# KiCad board 11-10084__speedy_processing_module__B.kicad_pcb (continued)
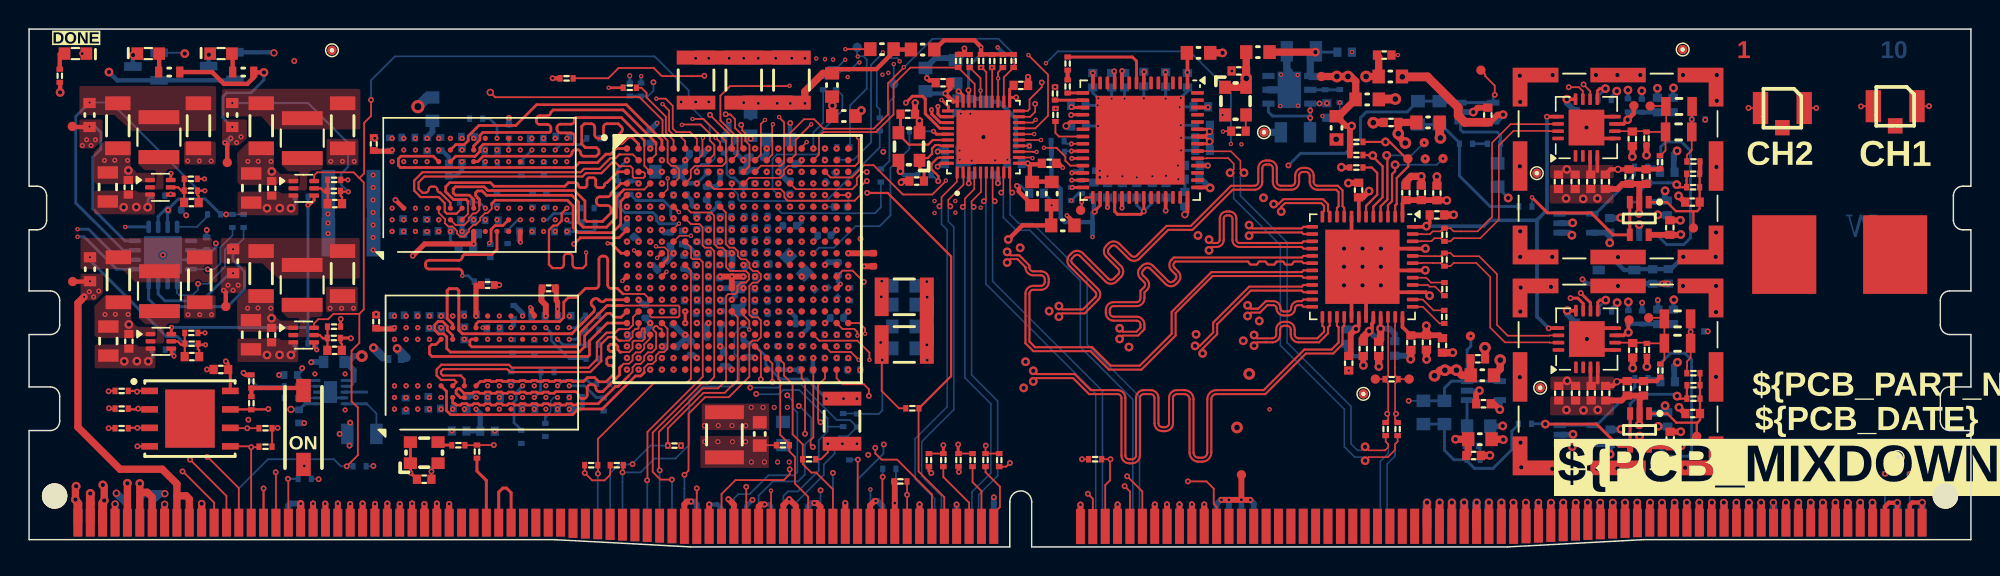
[diagram p0: board, top side]
## Footprints (pads in the part's own frame, mm; a bottom-side part is the same pattern mirrored in y, then rotated) (continued)
C0402_0.50MM_HD_Chamfered
  rrect 0.46x0.54 smd: 1(-0.45,0) 2(0.45,0)
C0402_0.55MM_HD
  rect 0.56x0.64 smd: 1(-0.5,0) 2(0.5,0)
C0402_0.55MM_HD#2
  rect 0.46x0.54 smd: 1(-0.45,0) 2(0.45,0)
C0603_0.90MM_MD
  rect 0.85x0.95 smd: 1(-0.8,0) 2(0.8,0)
C0603_1.00MM_HD
  rect 0.65x0.85 smd: 1(-0.7,0) 2(0.7,0)
C0603_1.00MM_MD
  rect 0.85x0.95 smd: 1(-0.8,0) 2(0.8,0)
C0805_1.40MM_HD
  rect 0.65x1.3 smd: 1(-0.9,0) 2(0.9,0)
C0805_1.40MM_MD
  rect 0.85x1.4 smd: 1(-1,0) 2(1,0)
C0805_1.45MM_MD
  rect 0.85x1.4 smd: 1(-1,0) 2(1,0)
C1206_1.90MM_MD
  rect 0.95x1.75 smd: 1(-1.55,0) 2(1.55,0)
C1210_2.70MM_MD
  rect 0.95x2.65 smd: 1(-1.55,0) 2(1.55,0)
C1210_2.80MM_MD
  rect 0.95x2.65 smd: 1(-1.55,0) 2(1.55,0)
CHS-01TA
  rect 1x1.6 smd: 1(0,-4.572) 2(0,0.508)
DDR5-ABxB-Module-Extended
  rrect 1.75x1.75 hole 1.77 unplated: (-68.8,0.4) (61.05,0.4)
  rect 0.61x1.905 smd: 1(-67.2,-1.432) 2(-66.35,-1.432) 3(-65.5,-1.432) 4(-64.65,-1.432) 5(-63.8,-1.432) 6(-62.95,-1.432) 7(-62.1,-1.432) 8(-61.25,-1.432) 9(-60.4,-1.432) 10(-59.55,-1.432) 11(-58.7,-1.432) 12(-57.85,-1.432) 13(-57,-1.432) 14(-56.15,-1.432) 15(-55.3,-1.432) 16(-54.45,-1.432) 17(-53.6,-1.432) 18(-52.75,-1.432) 19(-51.9,-1.432) 20(-51.05,-1.432) 21(-50.2,-1.432) 22(-49.35,-1.432) 23(-48.5,-1.432) 24(-47.65,-1.432) 25(-46.8,-1.432) 26(-45.95,-1.432) 27(-45.1,-1.432) 28(-44.25,-1.432) 29(-43.4,-1.432) 30(-42.55,-1.432) 31(-41.7,-1.432) 32(-40.85,-1.432) 33(-40,-1.432) 34(-39.15,-1.432) 35(-38.3,-1.432) 36(-37.45,-1.432) 37(-36.6,-1.432) 38(-35.75,-1.432) 39(-34.9,-1.432) 40(-34.05,-1.432) 122(40.75,-1.432) 123(41.6,-1.432) 124(42.45,-1.432) 125(43.3,-1.432) 126(44.15,-1.432) 127(45,-1.432) 128(45.85,-1.432) 129(46.7,-1.432) 130(47.55,-1.432) 131(48.4,-1.432) 132(49.25,-1.432) 133(50.1,-1.432) 134(50.95,-1.432) 135(51.8,-1.432) 136(52.65,-1.432) 137(53.5,-1.432) 138(54.35,-1.432) 139(55.2,-1.432) 140(56.05,-1.432) 141(56.9,-1.432) 142(57.75,-1.432) 143(58.6,-1.432) 144(59.45,-1.432)
  rect 0.61x1.997 smd: 41(-33.2,-1.478) 120(39.05,-1.478)
  rect 0.61x2.044 smd: 42(-32.35,-1.501) 119(38.2,-1.501)
  rect 0.61x2.09 smd: 43(-31.5,-1.524) 118(37.35,-1.524)
  rect 0.61x2.136 smd: 44(-30.65,-1.547) 117(36.5,-1.547)
  rect 0.61x2.182 smd: 45(-29.8,-1.571) 116(35.65,-1.571)
  rect 0.61x2.228 smd: 46(-28.95,-1.594) 115(34.8,-1.594)
  rect 0.61x2.274 smd: 47(-28.1,-1.617) 114(33.95,-1.617)
  rect 0.61x2.321 smd: 48(-27.25,-1.64) 113(33.1,-1.64)
  rect 0.61x2.367 smd: 49(-26.4,-1.663) 112(32.25,-1.663)
  rect 0.61x2.413 smd: 50(-25.55,-1.686) 51(-24.7,-1.686) 52(-23.85,-1.686) 53(-23,-1.686) 54(-22.15,-1.686) 55(-21.3,-1.686) 56(-20.45,-1.686) 57(-19.6,-1.686) 58(-18.75,-1.686) 59(-17.9,-1.686) 60(-17.05,-1.686) 61(-16.2,-1.686) 62(-15.35,-1.686) 63(-14.5,-1.686) 64(-13.65,-1.686) 65(-12.8,-1.686) 66(-11.95,-1.686) 67(-11.1,-1.686) 68(-10.25,-1.686) 69(-9.4,-1.686) 70(-8.55,-1.686) 71(-7.7,-1.686) 72(-6.85,-1.686) 73(-6,-1.686) 74(-5.15,-1.686) 75(-4.3,-1.686) 76(1.65,-1.7) 77(2.5,-1.7) 78(3.35,-1.686) 79(4.2,-1.686) 80(5.05,-1.686) 81(5.9,-1.686) 82(6.75,-1.686) 83(7.6,-1.686) 84(8.45,-1.686) 85(9.3,-1.686) 86(10.15,-1.686) 87(11,-1.686) 88(11.85,-1.686) 89(12.7,-1.686) 90(13.55,-1.686) 91(14.4,-1.686) 92(15.25,-1.686) 93(16.1,-1.686) 94(16.95,-1.686) 95(17.8,-1.686) 96(18.65,-1.686) 97(19.5,-1.686) 98(20.35,-1.686) 99(21.2,-1.686) 100(22.05,-1.686) 101(22.9,-1.686) 102(23.75,-1.686) 103(24.6,-1.686) 104(25.45,-1.686) 105(26.3,-1.686) 106(27.15,-1.686) 107(28,-1.686) 108(28.85,-1.686) 109(29.7,-1.686) 110(30.55,-1.686) 111(31.4,-1.686)
  rect 0.61x1.951 smd: 121(39.9,-1.455)
  rect 0.61x1.905 smd far side: 145(-67.2,-1.432) 146(-66.35,-1.432) 147(-65.5,-1.432) 148(-64.65,-1.432) 149(-63.8,-1.432) 150(-62.95,-1.432) 151(-62.1,-1.432) 152(-61.25,-1.432) 153(-60.4,-1.432) 154(-59.55,-1.432) 155(-58.7,-1.432) 156(-57.85,-1.432) 157(-57,-1.432) 158(-56.15,-1.432) 159(-55.3,-1.432) 160(-54.45,-1.432) 161(-53.6,-1.432) 162(-52.75,-1.432) 163(-51.9,-1.432) 164(-51.05,-1.432) 165(-50.2,-1.432) 166(-49.35,-1.432) 167(-48.5,-1.432) 168(-47.65,-1.432) 169(-46.8,-1.432) 170(-45.95,-1.432) 171(-45.1,-1.432) 172(-44.25,-1.432) 173(-43.4,-1.432) 174(-42.55,-1.432) 175(-41.7,-1.432) 176(-40.85,-1.432) 177(-40,-1.432) 178(-39.15,-1.432) 179(-38.3,-1.432) 180(-37.45,-1.432) 181(-36.6,-1.432) 182(-35.75,-1.432) 183(-34.9,-1.432) 184(-34.05,-1.432) 266(40.75,-1.432) 267(41.6,-1.432) 268(42.45,-1.432) 269(43.3,-1.432) 270(44.15,-1.432) 271(45,-1.432) 272(45.85,-1.432) 273(46.7,-1.432) 274(47.55,-1.432) 275(48.4,-1.432) 276(49.25,-1.432) 277(50.1,-1.432) 278(50.95,-1.432) 279(51.8,-1.432) 280(52.65,-1.432) 281(53.5,-1.432) 282(54.35,-1.432) 283(55.2,-1.432) 284(56.05,-1.432) 285(56.9,-1.432) 286(57.75,-1.432) 287(58.6,-1.432) 288(59.45,-1.432)
  rect 0.61x1.997 smd far side: 185(-33.2,-1.478) 264(39.05,-1.478)
  rect 0.61x2.044 smd far side: 186(-32.35,-1.501) 263(38.2,-1.501)
  rect 0.61x2.09 smd far side: 187(-31.5,-1.524) 262(37.35,-1.524)
  rect 0.61x2.136 smd far side: 188(-30.65,-1.547) 261(36.5,-1.547)
  rect 0.61x2.182 smd far side: 189(-29.8,-1.571) 260(35.65,-1.571)
  rect 0.61x2.228 smd far side: 190(-28.95,-1.594) 259(34.8,-1.594)
  rect 0.61x2.274 smd far side: 191(-28.1,-1.617) 258(33.95,-1.617)
  rect 0.61x2.321 smd far side: 192(-27.25,-1.64) 257(33.1,-1.64)
  rect 0.61x2.367 smd far side: 193(-26.4,-1.663) 256(32.25,-1.663)
  rect 0.61x2.413 smd far side: 194(-25.55,-1.686) 195(-24.7,-1.686) 196(-23.85,-1.686) 197(-23,-1.686) 198(-22.15,-1.686) 199(-21.3,-1.686) 200(-20.45,-1.686) 201(-19.6,-1.686) 202(-18.75,-1.686) 203(-17.9,-1.686) 204(-17.05,-1.686) 205(-16.2,-1.686) 206(-15.35,-1.686) 207(-14.5,-1.686) 208(-13.65,-1.686) 209(-12.8,-1.686) 210(-11.95,-1.686) 211(-11.1,-1.686) 212(-10.25,-1.686) 213(-9.4,-1.686) 214(-8.55,-1.686) 215(-7.7,-1.686) 216(-6.85,-1.686) 217(-6,-1.686) 218(-5.15,-1.686) 219(-4.3,-1.686) 220(1.65,-1.7) 221(2.5,-1.7) 222(3.35,-1.686) 223(4.2,-1.686) 224(5.05,-1.686) 225(5.9,-1.686) 226(6.75,-1.686) 227(7.6,-1.686) 228(8.45,-1.686) 229(9.3,-1.686) 230(10.15,-1.686) 231(11,-1.686) 232(11.85,-1.686) 233(12.7,-1.686) 234(13.55,-1.686) 235(14.4,-1.686) 236(15.25,-1.686) 237(16.1,-1.686) 238(16.95,-1.686) 239(17.8,-1.686) 240(18.65,-1.686) 241(19.5,-1.686) 242(20.35,-1.686) 243(21.2,-1.686) 244(22.05,-1.686) 245(22.9,-1.686) 246(23.75,-1.686) 247(24.6,-1.686) 248(25.45,-1.686) 249(26.3,-1.686) 250(27.15,-1.686) 251(28,-1.686) 252(28.85,-1.686) 253(29.7,-1.686) 254(30.55,-1.686) 255(31.4,-1.686)
  rect 0.61x1.951 smd far side: 265(39.9,-1.455)
DFN-10_2x2mm_P0.4mm
  rect 0.5x0.2 smd: 1(-0.95,0.8) 2(-0.95,0.4) 3(-0.95,0) 4(-0.95,-0.4) 5(-0.95,-0.8) 6(0.95,-0.8) 7(0.95,-0.4) 8(0.95,0) 9(0.95,0.4) 10(0.95,0.8)
  rect 0.9x1.5 smd: 11(0,0)
ECS-2520
  rect 0.9x0.8 smd: 1(-0.95,-0.725) 2(0.95,-0.725) 3(0.95,0.725) 4(-0.95,0.725)
FBGA-96_9x13mm_Layout9x16_P0.8mm
  round 0.36 smd: A1(-3.2,6) A2(-2.4,6) A3(-1.6,6) A7(1.6,6) A8(2.4,6) A9(3.2,6) B1(-3.2,5.2) B2(-2.4,5.2) B3(-1.6,5.2) B7(1.6,5.2) B8(2.4,5.2) B9(3.2,5.2) C1(-3.2,4.4) C2(-2.4,4.4) C3(-1.6,4.4) C7(1.6,4.4) C8(2.4,4.4) C9(3.2,4.4) D1(-3.2,3.6) D2(-2.4,3.6) D3(-1.6,3.6) D7(1.6,3.6) D8(2.4,3.6) D9(3.2,3.6) E1(-3.2,2.8) E2(-2.4,2.8) E3(-1.6,2.8) E7(1.6,2.8) E8(2.4,2.8) E9(3.2,2.8) F1(-3.2,2) F2(-2.4,2) F3(-1.6,2) F7(1.6,2) F8(2.4,2) F9(3.2,2) G1(-3.2,1.2) G2(-2.4,1.2) G3(-1.6,1.2) G7(1.6,1.2) G8(2.4,1.2) G9(3.2,1.2) H1(-3.2,0.4) H2(-2.4,0.4) H3(-1.6,0.4) H7(1.6,0.4) H8(2.4,0.4) H9(3.2,0.4) J1(-3.2,-0.4) J2(-2.4,-0.4) J3(-1.6,-0.4) J7(1.6,-0.4) J8(2.4,-0.4) J9(3.2,-0.4) K1(-3.2,-1.2) K2(-2.4,-1.2) K3(-1.6,-1.2) K7(1.6,-1.2) K8(2.4,-1.2) K9(3.2,-1.2) L1(-3.2,-2) L2(-2.4,-2) L3(-1.6,-2) L7(1.6,-2) L8(2.4,-2) L9(3.2,-2) M1(-3.2,-2.8) M2(-2.4,-2.8) M3(-1.6,-2.8) M7(1.6,-2.8) M8(2.4,-2.8) M9(3.2,-2.8) N1(-3.2,-3.6) N2(-2.4,-3.6) N3(-1.6,-3.6) N7(1.6,-3.6) N8(2.4,-3.6) N9(3.2,-3.6) P1(-3.2,-4.4) P2(-2.4,-4.4) P3(-1.6,-4.4) P7(1.6,-4.4) P8(2.4,-4.4) P9(3.2,-4.4) R1(-3.2,-5.2) R2(-2.4,-5.2) R3(-1.6,-5.2) R7(1.6,-5.2) R8(2.4,-5.2) R9(3.2,-5.2) T1(-3.2,-6) T2(-2.4,-6) T3(-1.6,-6) T7(1.6,-6) T8(2.4,-6) T9(3.2,-6)
Inductor 1210 (3225 Metric)
  rect 0.965x2.8 smd: 1(-1.372,0) 2(1.372,0)
LED-0603-GREEN
  rect 0.8x0.85 smd: A(-0.75,0) C(0.75,0)
LED-0603-RED
  rect 0.8x0.85 smd: A(-0.75,0) C(0.75,0)
QFN40P500X500X90-41N
  rrect 0.82x0.22 smd: 1(-2.435,1.8) 2(-2.435,1.4) 3(-2.435,1) 4(-2.435,0.6) 5(-2.435,0.2) 6(-2.435,-0.2) 7(-2.435,-0.6) 8(-2.435,-1) 9(-2.435,-1.4) 10(-2.435,-1.8) 21(2.435,-1.8) 22(2.435,-1.4) 23(2.435,-1) 24(2.435,-0.6) 25(2.435,-0.2) 26(2.435,0.2) 27(2.435,0.6) 28(2.435,1) 29(2.435,1.4) 30(2.435,1.8)
  rrect 0.22x0.82 smd: 11(-1.8,-2.435) 12(-1.4,-2.435) 13(-1,-2.435) 14(-0.6,-2.435) 15(-0.2,-2.435) 16(0.2,-2.435) 17(0.6,-2.435) 18(1,-2.435) 19(1.4,-2.435) 20(1.8,-2.435) 31(1.8,2.435) 32(1.4,2.435) 33(1,2.435) 34(0.6,2.435) 35(0.2,2.435) 36(-0.2,2.435) 37(-0.6,2.435) 38(-1,2.435) 39(-1.4,2.435) 40(-1.8,2.435)
  rect 3.7x3.7 smd: 41(0,0)
QFN65P400X400X55-17N
  rrect 0.86x0.32 smd: 1(-1.935,0.975) 2(-1.935,0.325) 3(-1.935,-0.325) 4(-1.935,-0.975) 9(1.935,-0.975) 10(1.935,-0.325) 11(1.935,0.325) 12(1.935,0.975)
  rrect 0.32x0.86 smd: 5(-0.975,-1.935) 6(-0.325,-1.935) 7(0.325,-1.935) 8(0.975,-1.935) 13(0.975,1.935) 14(0.325,1.935) 15(-0.325,1.935) 16(-0.975,1.935)
  rect 2.6x2.6 smd: 17(0,0)
QFN-16-1EP_4x4mm_P0.5mm_EP2.45x2.45mm
  rrect 0.99x0.99 smd: (-0.61,0.61) (-0.61,-0.61) (0.61,0.61) (0.61,-0.61)
  rrect 0.8x0.25 smd: 1(-1.95,0.75) 2(-1.95,0.25) 3(-1.95,-0.25) 4(-1.95,-0.75) 9(1.95,-0.75) 10(1.95,-0.25) 11(1.95,0.25) 12(1.95,0.75)
  rrect 0.25x0.8 smd: 5(-0.75,-1.95) 6(-0.25,-1.95) 7(0.25,-1.95) 8(0.75,-1.95) 13(0.75,1.95) 14(0.25,1.95) 15(-0.25,1.95) 16(-0.75,1.95)
  rect 2.45x2.45 smd: 17(0,0)
QFN-48-1EP_7x7mm_P0.5mm_EP5.1x5.1mm
  rrect 1.03x1.03 smd: (-1.905,1.905) (-1.905,0.635) (-1.905,-0.635) (-1.905,-1.905) (-0.635,1.905) (-0.635,0.635) (-0.635,-0.635) (-0.635,-1.905) (0.635,1.905) (0.635,0.635) (0.635,-0.635) (0.635,-1.905) (1.905,1.905) (1.905,0.635) (1.905,-0.635) (1.905,-1.905)
  rrect 0.8x0.25 smd: 1(-3.45,2.75) 2(-3.45,2.25) 3(-3.45,1.75) 4(-3.45,1.25) 5(-3.45,0.75) 6(-3.45,0.25) 7(-3.45,-0.25) 8(-3.45,-0.75) 9(-3.45,-1.25) 10(-3.45,-1.75) 11(-3.45,-2.25) 12(-3.45,-2.75) 25(3.45,-2.75) 26(3.45,-2.25) 27(3.45,-1.75) 28(3.45,-1.25) 29(3.45,-0.75) 30(3.45,-0.25) 31(3.45,0.25) 32(3.45,0.75) 33(3.45,1.25) 34(3.45,1.75) 35(3.45,2.25) 36(3.45,2.75)
  rrect 0.25x0.8 smd: 13(-2.75,-3.45) 14(-2.25,-3.45) 15(-1.75,-3.45) 16(-1.25,-3.45) 17(-0.75,-3.45) 18(-0.25,-3.45) 19(0.25,-3.45) 20(0.75,-3.45) 21(1.25,-3.45) 22(1.75,-3.45) 23(2.25,-3.45) 24(2.75,-3.45) 37(2.75,3.45) 38(2.25,3.45) 39(1.75,3.45) 40(1.25,3.45) 41(0.75,3.45) 42(0.25,3.45) 43(-0.25,3.45) 44(-0.75,3.45) 45(-1.25,3.45) 46(-1.75,3.45) 47(-2.25,3.45) 48(-2.75,3.45)
  rect 5.1x5.1 smd: 49(0,0)
QFN-56-1EP_8x8mm_P0.5mm_EP6.1x6.1mm
  rrect 1.23x1.23 smd: (-2.28,2.28) (-2.28,0.76) (-2.28,-0.76) (-2.28,-2.28) (-0.76,2.28) (-0.76,0.76) (-0.76,-0.76) (-0.76,-2.28) (0.76,2.28) (0.76,0.76) (0.76,-0.76) (0.76,-2.28) (2.28,2.28) (2.28,0.76) (2.28,-0.76) (2.28,-2.28)
  rrect 0.875x0.25 smd: 1(-3.938,3.25) 2(-3.938,2.75) 3(-3.938,2.25) 4(-3.938,1.75) 5(-3.938,1.25) 6(-3.938,0.75) 7(-3.938,0.25) 8(-3.938,-0.25) 9(-3.938,-0.75) 10(-3.938,-1.25) 11(-3.938,-1.75) 12(-3.938,-2.25) 13(-3.938,-2.75) 14(-3.938,-3.25) 29(3.938,-3.25) 30(3.938,-2.75) 31(3.938,-2.25) 32(3.938,-1.75) 33(3.938,-1.25) 34(3.938,-0.75) 35(3.938,-0.25) 36(3.938,0.25) 37(3.938,0.75) 38(3.938,1.25) 39(3.938,1.75) 40(3.938,2.25) 41(3.938,2.75) 42(3.938,3.25)
  rrect 0.25x0.875 smd: 15(-3.25,-3.938) 16(-2.75,-3.938) 17(-2.25,-3.938) 18(-1.75,-3.938) 19(-1.25,-3.938) 20(-0.75,-3.938) 21(-0.25,-3.938) 22(0.25,-3.938) 23(0.75,-3.938) 24(1.25,-3.938) 25(1.75,-3.938) 26(2.25,-3.938) 27(2.75,-3.938) 28(3.25,-3.938) 43(3.25,3.938) 44(2.75,3.938) 45(2.25,3.938) 46(1.75,3.938) 47(1.25,3.938) 48(0.75,3.938) 49(0.25,3.938) 50(-0.25,3.938) 51(-0.75,3.938) 52(-1.25,3.938) 53(-1.75,3.938) 54(-2.25,3.938) 55(-2.75,3.938) 56(-3.25,3.938)
  rect 6.1x6.1 smd: 57(0,0)
R0402_0.40MM_HD
  rect 0.35x0.45 smd: 1(-0.45,0) 2(0.45,0)
R0603_0.55MM_HD
  rect 0.5x0.75 smd: 1(-0.725,0) 2(0.725,0)
R0603_0.55MM_MD
  rect 0.7x0.85 smd: 1(-0.825,0) 2(0.825,0)
S8101-46R
  rect 5.4x4.4 smd: 1(0,0)
SC70-5
  rect 0.85x0.4 smd: 1(-1.125,0.65) 2(-1.125,0) 3(-1.125,-0.65) 4(1.125,-0.65) 5(1.125,0.65)
SMT_TP-25
  round 0.635 smd: 1(0,0)
SMT_TP-25_GND
  round 0.635 hole 0.3: 1(0,0)
SON95P300X300X100-7N
  rect 0.84x0.42 smd: 1(-1.435,0.95) 2(-1.435,0) 3(-1.435,-0.95) 4(1.435,-0.95) 5(1.435,0) 6(1.435,0.95)
  rect 1.6x2.5 smd: 7(0,0)
SON127P600X80_HS-9N
  rect 1.15x0.45 smd: 1(-2.77,1.905) 2(-2.77,0.635) 3(-2.77,-0.635) 4(-2.77,-1.905) 5(2.77,-1.905) 6(2.77,-0.635) 7(2.77,0.635) 8(2.77,1.905)
  rect 3.4x4 smd: 9(0,0)
SOT95P245X145-6L
  rect 0.85x0.6 smd: 1(-1.225,0.95) 2(-1.225,0) 3(-1.225,-0.95) 4(1.225,-0.95) 5(1.225,0) 6(1.225,0.95)
SOT-23
  rect 1.2x0.6 smd: 1(-0.9,0.95) 2(-0.9,-0.95) 3(0.9,0)
SOT-563
  rrect 0.675x0.3 smd: 1(-0.713,0.5) 2(-0.713,0) 3(-0.713,-0.5) 4(0.713,-0.5) 5(0.713,0) 6(0.713,0.5)
TE_2118714-2
  custom 2.665x3.14 smd: SH1(-6.255,6.73) SH1(-6.255,-6.73) SH1(6.255,6.73) SH1(6.255,-6.73)
  rect 1x3.8 smd: SH1(-6.255,0) SH1(6.255,0)
  rect 3.4x1 smd: SH1(0,6.73) SH1(0,-6.73)

## Nets
3v3-OP: C11.2 C13.2 C14.2 C30.2 C32.2 C33.2 C208.2 C209.2 L1.2 L3.2 U1.5 U2.5 U4.5 U5.5 U6.5 U8.5 U19.5 U20.5
+1v0: C131.2 C132.2 C133.2 C135.2 C139.2 C143.2 C145.2 C150.2 C154.2 C157.2 C161.2 C163.2 C167.2 C179.2 C184.2 C188.2 C192.2 C193.2 C196.2 C256.2 C257.2 C258.2 C259.2 IC1.G7 IC1.G11 IC1.G13 IC1.H10 IC1.H12 IC1.J7 IC1.J13 IC1.K12 IC1.L7 IC1.L13 IC1.M12 IC1.N7 IC1.N13 IC1.P8 IC1.P12 IC1.R7 IC1.R13 R130.2 TP35.1 U24.12
+1v5: C56.2 C60.2 C62.2 C63.2 C64.2 C89.2 C90.2 C91.2 C93.2 C94.2 C95.2 C96.2 C97.2 C98.2 C99.2 C100.2 C101.2 C102.2 C103.2 C104.2 C105.2 C106.2 C107.2 C108.2 C109.2 C110.2 C111.2 C112.2 C113.2 C114.2 C115.2 C116.2 C117.2 C118.2 C119.2 C120.2 C123.2 C124.2 C127.2 C128.2 C134.2 C138.2 C142.2 C146.2 C149.2 C152.2 C156.2 C158.2 C164.2 C169.2 C170.2 C171.2 C269.1 IC1.A3 IC1.D2 IC1.E5 IC1.G1 IC1.H4 IC1.L3 IC1.P2 IC1.R5 IC1.U1 IC1.V4 R69.1 R132.2 TP38.1 U11.A1 U11.A8 U11.B2 U11.C1 U11.C9 U11.D2 U11.D9 U11.E9 U11.F1 U11.G7 U11.H2 U11.H9 U11.K2 U11.K8 U11.N1 U11.N9 U11.R1 U11.R9 U18.A1 U18.A8 U18.B2 U18.C1 U18.C9 U18.D2 U18.D9 U18.E9 U18.F1 U18.G7 U18.H2 U18.H9 U18.K2 U18.K8 U18.N1 U18.N9 U18.R1 U18.R9 U24.7 U26.1 U26.2
+1v8: C51.2 C53.2 C59.2 C61.2 C125.2 C136.2 C137.2 C140.2 C141.2 C147.2 C148.2 C153.2 C155.2 C160.2 C162.2 C166.2 C168.2 C174.2 C175.2 C176.2 C177.2 C178.2 C180.2 C182.2 C183.2 C185.2 C186.2 C187.2 C189.2 C190.2 C191.2 C194.2 C195.1 C197.1 C198.1 C199.1 C200.1 C201.2 C202.2 C214.2 C242.2 C253.2 IC1.A13 IC1.B16 IC1.C19 IC1.D12 IC1.E15 IC1.F8 IC1.F18 IC1.G9 IC1.H8 IC1.H14 IC1.J11 IC1.J17 IC1.K8 IC1.K20 IC1.L11 IC1.M8 IC1.M16 IC1.N9 IC1.N11 IC1.N19 IC1.P10 IC1.R9 IC1.R15 IC1.T18 IC1.V14 IC1.W17 IC1.Y20 JEDEC1.9 JEDEC1.10 L6.1 L7.1 L8.1 L10.1 L14.1 L17.1 R25.1 R26.1 R33.2 R37.2 R38.2 R39.2 R42.1 R43.1 R45.1 R74.1 R97.2 R98.2 R102.1 R105.2 R107.2 R131.2 TP30.1 TP37.1 U9.33 U10.4 U13.30 U24.14 U24.15
+1v8_ETH: C234.2 C235.2 L14.2 R108.2 R109.2 R110.2 R111.2 R115.2 U17.28
+1v8A: C39.2 C40.2 C41.2 C42.2 C43.2 C44.2 C46.2 C47.2 C48.2 L6.2 U9.1 U9.32 U9.36
+1v8APLL: C65.2 C75.2 C76.2 C77.2 C78.2 C79.2 C80.2 C81.2 C211.2 C212.2 L8.2 U13.4 U13.10 U13.14 U13.31 U13.33 U13.39 U13.49 U13.50 U13.51 U16.1 U16.4
+1v8D: C49.2 C50.2 C52.2 C54.2 L7.2 U9.7 U9.30
+2v4: C55.2 C57.2 JEDEC1.231 JEDEC1.232 JEDEC1.233 JEDEC1.234 TP29.1 U10.1 U10.6
+3v3: C6.2 C8.2 C25.2 C27.2 C82.2 C83.2 C85.2 C86.2 C144.2 C151.2 C159.2 C165.2 C243.2 C244.2 C249.2 C250.2 C254.2 C260.2 C261.2 C262.2 C263.2 C264.2 C265.2 IC1.B6 IC1.D7 IC1.K6 IC1.M6 IC1.N6 IC1.R6 IC1.T6 IC1.T8 IC1.U11 IC1.W7 IC1.Y10 JEDEC1.5 JEDEC1.6 JEDEC1.7 L1.1 L3.1 L9.1 L16.1 R8.2 R20.2 R49.2 R50.2 R51.2 R55.2 R56.1 R61.2 R67.1 R68.2 R119.2 R120.2 R133.2 R163.2 R164.2 R166.2 TP39.1 U3.12 U7.12 U14.3 U15.8 U17.29 U24.2 U24.9 U26.10 U27.1 U27.4
+3v3_ETH: C245.2 C246.2 C247.2 C248.2 L16.2 U17.11 U17.40
+5V_CONN: C217.2 C218.2 C220.2 C221.2 C227.2 C228.2 C237.2 C238.2 JEDEC1.1 JEDEC1.2 JEDEC1.3 JEDEC1.145 JEDEC1.146 JEDEC1.147 R80.2 R83.2 R84.2 R90.2 U21.3 U22.3 U23.3 U25.3
+5V_PGA: C12.2 C31.2 JEDEC1.104 JEDEC1.105 JEDEC1.106 JEDEC1.107 JEDEC1.108 JEDEC1.109 JEDEC1.248 JEDEC1.249 JEDEC1.250 JEDEC1.251 JEDEC1.252 JEDEC1.253 L2.1 L4.1
/TOP_LEVEL_IO/ZYNQ_PWR/+1v0_Sense: C239.2 C240.2 C241.2 L15.2 R92.2 R130.1 U24.11
/TOP_LEVEL_IO/ZYNQ_PWR/+1v5_Sense: C229.2 C230.2 C231.2 L13.2 R89.2 R132.1 U24.8
/TOP_LEVEL_IO/ZYNQ_PWR/+1v8_Sense: C219.2 C222.2 C226.2 L11.2 R79.2 R131.1 U24.13
/TOP_LEVEL_IO/ZYNQ_PWR/+3v3_Sense: C223.2 C224.2 C225.2 L12.2 R86.2 R133.1 U24.10
/TOP_LEVEL_IO/ZYNQ_PWR/VCCPLL: C172.2 C173.2 IC1.G8 L10.2
GND: C3.1 C4.1 C5.1 C6.1 C7.1 C8.1 C9.1 C10.1 C11.1 C12.1 C13.1 C14.1 C15.1 C16.1 C17.1 C18.2 C19.2 C22.1 C23.1 C24.1 C25.1 C26.1 C27.1 C28.1 C29.1 C30.1 C31.1 C32.1 C33.1 C34.1 C35.1 C36.1 C37.2 C38.2 C39.1 C40.1 C41.1 C42.1 C43.1 C44.1 C45.1 C46.1 C47.1 C48.1 C49.1 C50.1 C51.1 C52.1 C53.1 C54.1 C55.1 C57.1 C58.1 C59.1 C60.1 C61.1 C62.1 C63.1 C64.1 C65.1 C66.1 C67.1 C68.1 C69.1 C70.1 C71.1 C72.1 C74.2 C75.1 C76.1 C77.1 C78.1 C79.1 C80.1 C81.1 C82.1 C83.1 C84.1 C85.1 C86.1 C88.1 C89.1 C91.1 C92.1 C93.1 C94.1 C95.1 C96.1 C97.1 C98.1 C99.1 C100.1 C101.1 C102.1 C103.1 C104.1 C105.1 C106.1 C107.1 C108.1 C109.1 C110.1 C111.1 C112.1 C113.1 C114.1 C115.1 C116.1 C117.1 C118.1 C119.1 C120.1 C121.1 C122.1 C123.1 C124.1 C125.1 C126.1 C127.1 C128.1 C129.1 C130.1 C131.1 C132.1 C133.1 C134.1 C135.1 C136.1 C137.1 C138.1 C139.1 C140.1 C141.1 C142.1 C143.1 C144.1 C145.1 C146.1 C147.1 C148.1 C149.1 C150.1 C151.1 C152.1 C153.1 C154.1 C155.1 C156.1 C157.1 C158.1 C159.1 C160.1 C161.1 C162.1 C163.1 C164.1 C165.1 C166.1 C167.1 C168.1 C169.1 C170.1 C171.1 C172.1 C173.1 C174.1 C175.1 C176.1 C177.1 C178.1 C179.1 C180.1 C182.1 C183.1 C184.1 C185.1 C186.1 C187.1 C188.1 C189.1 C190.1 C191.1 C192.1 C193.1 C194.1 C195.2 C196.1 C197.2 C198.2 C199.2 C200.2 C201.1 C202.1 C206.1 C208.1 C209.1 C210.1 C211.1 C212.1 C213.1 C214.1 C215.1 C216.1 C217.1 C218.1 C220.1 C221.1 C222.1 C224.1 C225.1 C226.1 C227.1 C228.1 C230.1 C231.1 C232.1 C233.1 C234.1 C235.1 C237.1 C238.1 C240.1 C241.1 C242.1 C243.1 C244.1 C245.1 C246.1 C247.1 C248.1 C249.1 C250.1 C251.1 C252.1 C253.1 C254.1 C255.1 C256.1 C257.1 C258.1 C259.1 C260.1 C261.1 C262.1 C263.1 C264.1 C265.1 C266.1 C267.1 C268.1 C269.2 D1.C IC1.A8 IC1.A18 IC1.B1 IC1.B11 IC1.C4 IC1.C9 IC1.C14 IC1.D17 IC1.D18 IC1.E10 IC1.E19 IC1.E20 IC1.F3 IC1.F7 IC1.F10 IC1.G10 IC1.G12 IC1.G16 IC1.H7 IC1.H9 IC1.H11 IC1.H13 IC1.H19 IC1.J2 IC1.J8 IC1.J10 IC1.J12 IC1.K5 IC1.K7 IC1.K10 IC1.K11 IC1.K13 IC1.K15 IC1.L8 IC1.L12 IC1.L18 IC1.M1 IC1.M7 IC1.M9 IC1.M10 IC1.M11 IC1.M13 IC1.M20 IC1.N4 IC1.N8 IC1.N10 IC1.N12 IC1.N14 IC1.P7 IC1.P9 IC1.P11 IC1.P13 IC1.P17 IC1.R8 IC1.R12 IC1.R20 IC1.T3 IC1.T7 IC1.T13 IC1.U6 IC1.U16 IC1.V9 IC1.V19 IC1.W2 IC1.W12 IC1.Y5 IC1.Y15 J1.1 J1.2 J2.1 J2.2 JEDEC1.4 JEDEC1.8 JEDEC1.11 JEDEC1.19 JEDEC1.20 JEDEC1.21 JEDEC1.22 JEDEC1.23 JEDEC1.24 JEDEC1.25 JEDEC1.26 JEDEC1.27 JEDEC1.28 JEDEC1.29 JEDEC1.30 JEDEC1.31 JEDEC1.50 JEDEC1.52 JEDEC1.54 JEDEC1.56 JEDEC1.58 JEDEC1.59 JEDEC1.61 JEDEC1.63 JEDEC1.65 JEDEC1.67 JEDEC1.69 JEDEC1.72 JEDEC1.76 JEDEC1.79 JEDEC1.82 JEDEC1.83 JEDEC1.84 JEDEC1.85 JEDEC1.86 JEDEC1.110 JEDEC1.111 JEDEC1.112 JEDEC1.113 JEDEC1.114 JEDEC1.115 JEDEC1.116 JEDEC1.117 JEDEC1.118 JEDEC1.119 JEDEC1.120 JEDEC1.121 JEDEC1.122 JEDEC1.123 JEDEC1.124 JEDEC1.125 JEDEC1.126 JEDEC1.127 JEDEC1.128 JEDEC1.129 JEDEC1.130 JEDEC1.131 JEDEC1.132 JEDEC1.133 JEDEC1.134 JEDEC1.135 JEDEC1.136 JEDEC1.137 JEDEC1.138 JEDEC1.139 JEDEC1.140 JEDEC1.141 JEDEC1.142 JEDEC1.143 JEDEC1.144 JEDEC1.148 JEDEC1.149 JEDEC1.150 JEDEC1.151 JEDEC1.152 JEDEC1.155 JEDEC1.162 JEDEC1.163 JEDEC1.164 JEDEC1.165 JEDEC1.166 JEDEC1.167 JEDEC1.168 JEDEC1.169 JEDEC1.170 JEDEC1.171 JEDEC1.172 JEDEC1.173 JEDEC1.174 JEDEC1.175 JEDEC1.195 JEDEC1.196 JEDEC1.197 JEDEC1.199 JEDEC1.201 JEDEC1.204 JEDEC1.207 JEDEC1.210 JEDEC1.213 JEDEC1.216 JEDEC1.219 JEDEC1.220 JEDEC1.223 JEDEC1.226 JEDEC1.227 JEDEC1.228 JEDEC1.229 JEDEC1.230 JEDEC1.254 JEDEC1.255 JEDEC1.256 JEDEC1.257 JEDEC1.258 JEDEC1.259 JEDEC1.260 JEDEC1.261 JEDEC1.262 JEDEC1.263 JEDEC1.264 JEDEC1.265 JEDEC1.266 JEDEC1.267 JEDEC1.268 JEDEC1.269 JEDEC1.270 JEDEC1.271 JEDEC1.272 JEDEC1.273 JEDEC1.274 JEDEC1.275 JEDEC1.276 JEDEC1.277 JEDEC1.278 JEDEC1.279 JEDEC1.280 JEDEC1.281 JEDEC1.282 JEDEC1.283 JEDEC1.284 JEDEC1.286 JEDEC1.288 Q3.2 Q4.2 R2.1 R6.1 R10.1 R14.1 R18.1 R22.1 R32.1 R34.2 R40.1 R41.1 R44.1 R47.2 R57.2 R58.2 R60.2 R64.2 R66.1 R70.1 R71.1 R72.1 R73.2 R77.1 R81.1 R87.1 R91.1 R99.2 R106.1 R112.1 R113.1 R114.1 R117.1 R122.2 R165.2 R169.2 R170.2 R171.2 R172.2 R173.2 R174.2 SH1.SH1 SH2.SH1 SW1.1 TP1.1 TP3.1 TP21.1 TP22.1 TP27.1 TP28.1 TP36.1 U1.2 U2.2 U3.5 U3.8 U3.17 U4.2 U5.2 U6.2 U7.5 U7.8 U7.17 U8.2 U9.8 U9.29 U9.31 U9.39 U9.42 U9.45 U9.49 U10.2 U10.7 U11.A9 U11.B1 U11.B3 U11.B9 U11.D1 U11.D8 U11.E1 U11.E2 U11.E8 U11.F9 U11.G1 U11.G8 U11.G9 U11.J2 U11.J8 U11.M1 U11.M9 U11.P1 U11.P9 U11.T1 U11.T9 U13.57 U14.2 U15.4 U16.2 U17.41 U18.A9 U18.B1 U18.B3 U18.B9 U18.D1 U18.D8 U18.E1 U18.E2 U18.E8 U18.F9 U18.G1 U18.G8 U18.G9 U18.J2 U18.J8 U18.M1 U18.M9 U18.P1 U18.P9 U18.T1 U18.T9 U19.2 U20.2 U21.1 U22.1 U23.1 U24.3 U24.6 U24.17 U25.1 U26.4 U26.8 U26.11 U27.2 X1.2 X1.4
+VPGA: C3.2 C5.2 C15.2 C16.2 C18.1 C19.1 C22.2 C24.2 C34.2 C35.2 C37.1 C38.1 L2.2 L4.2 R1.2 R5.2 R13.2 R17.2 U3.3 U3.4 U7.3 U7.4
/TOP_LEVEL_IO/ADC/ADC_PD: R32.2 U9.6
/TOP_LEVEL_IO/ADC/ADC_SCLK: IC1.D14 TP25.1 U9.4
/TOP_LEVEL_IO/ADC/ADC_SDATA: IC1.B15 TP26.1 U9.3
/TOP_LEVEL_IO/ADC/ADC_~{CSn}: IC1.E12 R25.2 TP24.1 U9.2
/TOP_LEVEL_IO/ADC/ADC_~{RSTn}: IC1.A9 R26.2 TP23.1 U9.5
/TOP_LEVEL_IO/ADC/CLK+: R31.2 R134.2 R136.2 TP34.1 U9.35
/TOP_LEVEL_IO/ADC/CLK-: R31.1 R135.2 R137.2 TP33.1 U9.34
/TOP_LEVEL_IO/ADC/IN1+: R27.2 U3.14 U9.47
/TOP_LEVEL_IO/ADC/IN1-: R27.1 U3.15 U9.46
/TOP_LEVEL_IO/ADC/IN2+: R28.2 U7.14 U9.44
/TOP_LEVEL_IO/ADC/IN2-: R28.1 U7.15 U9.43
/TOP_LEVEL_IO/ADC/IN3+: R29.2 U9.41
/TOP_LEVEL_IO/ADC/IN3-: R29.1 U9.40
/TOP_LEVEL_IO/ADC/IN4+: R30.2 U9.38
/TOP_LEVEL_IO/ADC/IN4-: R30.1 U9.37
/TOP_LEVEL_IO/ADC_CLK_EXT+: JEDEC1.245 R134.1
/TOP_LEVEL_IO/ADC_CLK_EXT-: JEDEC1.244 R135.1
/TOP_LEVEL_IO/CH1_IN: C20.2 C21.2 J1.3 R15.1 R176.2
/TOP_LEVEL_IO/CH2_IN: C1.2 C2.2 J2.3 R3.1 R175.2
/TOP_LEVEL_IO/CHOPPER_INPUT: IC1.J16 JEDEC1.198
/TOP_LEVEL_IO/DC_OUT_CH1: C203.1 C204.1 IC1.E18 TP19.1 U19.3 U19.4
/TOP_LEVEL_IO/DC_OUT_CH2: C205.1 C207.1 IC1.M19 TP20.1 U20.3 U20.4
/TOP_LEVEL_IO/DONE: IC1.R11 JEDEC1.189 R51.1 R52.2
/TOP_LEVEL_IO/ETH_LD0: JEDEC1.75 R121.1
/TOP_LEVEL_IO/ETH_LD1: JEDEC1.74 R123.1
/TOP_LEVEL_IO/ETH_LD2: JEDEC1.73 R118.1
/TOP_LEVEL_IO/ETH_TD0+: JEDEC1.214 U17.1
/TOP_LEVEL_IO/ETH_TD0-: JEDEC1.215 U17.2
/TOP_LEVEL_IO/ETH_TD1+: JEDEC1.217 U17.4
/TOP_LEVEL_IO/ETH_TD1-: JEDEC1.218 U17.5
/TOP_LEVEL_IO/ETH_TD2+: JEDEC1.221 U17.6
/TOP_LEVEL_IO/ETH_TD2-: JEDEC1.222 U17.7
/TOP_LEVEL_IO/ETH_TD3+: JEDEC1.224 U17.9
/TOP_LEVEL_IO/ETH_TD3-: JEDEC1.225 U17.10
/TOP_LEVEL_IO/Ethernet/ETH_INT_PU_B: IC1.F16 U17.31
/TOP_LEVEL_IO/Ethernet/ETH_MDC: IC1.C10 U17.13
/TOP_LEVEL_IO/Ethernet/ETH_MDIO: IC1.C11 R115.1 U17.14
/TOP_LEVEL_IO/Ethernet/ETH_PHYRSTB: IC1.E17 U17.12
/TOP_LEVEL_IO/Ethernet/ETH_RXC: IC1.B17 R114.2 U17.27
/TOP_LEVEL_IO/Ethernet/ETH_RXCTL: IC1.D13 R113.2 U17.26
/TOP_LEVEL_IO/Ethernet/ETH_RXD0: IC1.D11 R108.1 U17.25
/TOP_LEVEL_IO/Ethernet/ETH_RXD1: IC1.A16 R109.1 U17.24
/TOP_LEVEL_IO/Ethernet/ETH_RXD2: IC1.F15 R110.1 R112.2 U17.23
/TOP_LEVEL_IO/Ethernet/ETH_RXD3: IC1.A15 R111.1 U17.22
/TOP_LEVEL_IO/Ethernet/ETH_SYSCLK: IC1.K17 R116.1
/TOP_LEVEL_IO/Ethernet/ETH_TXC: R124.1 TP12.1 U17.20
/TOP_LEVEL_IO/Ethernet/ETH_TXCTL: R129.1 TP13.1 U17.19
/TOP_LEVEL_IO/Ethernet/ETH_TXD0: R125.1 U17.18
/TOP_LEVEL_IO/Ethernet/ETH_TXD1: R126.1 U17.17
/TOP_LEVEL_IO/Ethernet/ETH_TXD2: R127.1 U17.16
/TOP_LEVEL_IO/Ethernet/ETH_TXD3: R128.1 U17.15
/TOP_LEVEL_IO/Ethernet/ETH_VCC1V0: C122.2 C126.2 C129.2 C130.2 C232.2 C233.2 U17.3 U17.8 U17.21 U17.30 U17.38
/TOP_LEVEL_IO/FE_CH1/IN_N: C7.2 C10.2 R5.1 R6.2 TP15.1 U3.7
/TOP_LEVEL_IO/FE_CH1/IN_P: C1.1 C2.1 C4.2 R1.1 R2.2 TP17.1 U3.6
/TOP_LEVEL_IO/FE_CH2/IN_N: C26.2 C29.2 R17.1 R18.2 TP16.1 U7.7
/TOP_LEVEL_IO/FE_CH2/IN_P: C20.1 C21.1 C23.2 R13.1 R14.2 TP18.1 U7.6
/TOP_LEVEL_IO/FPGA_T19: IC1.T19 JEDEC1.81
/TOP_LEVEL_IO/FPGA_T20: IC1.T20 JEDEC1.80
/TOP_LEVEL_IO/FPGA_U17: IC1.U17 JEDEC1.78 R174.1
/TOP_LEVEL_IO/FPGA_U20: IC1.U20 JEDEC1.87
/TOP_LEVEL_IO/FPGA_V12: IC1.V12 JEDEC1.68 R170.1
/TOP_LEVEL_IO/FPGA_V13: IC1.V13 JEDEC1.66 R169.1
/TOP_LEVEL_IO/FPGA_V18: IC1.V18 JEDEC1.77
/TOP_LEVEL_IO/FPGA_W13: IC1.W13 JEDEC1.64 R171.1
/TOP_LEVEL_IO/FPGA_W14: IC1.W14 JEDEC1.62 R172.1
/TOP_LEVEL_IO/FPGA_Y14: IC1.Y14 JEDEC1.60 R173.1
/TOP_LEVEL_IO/FPGA_Y18: IC1.Y18 JEDEC1.70
/TOP_LEVEL_IO/I2C0_SCL: IC1.A12 JEDEC1.202 R39.1
/TOP_LEVEL_IO/I2C0_SDA: IC1.F12 JEDEC1.203 R38.1
/TOP_LEVEL_IO/INIT_B: IC1.R10 JEDEC1.188 R49.1
/TOP_LEVEL_IO/LASER_SYNC_INPUT: IC1.K16 JEDEC1.200